# Altium PCB BK1096.PcbDoc (part 2 of 2)
Units mm, origin at the board's own origin, x right, y up, seen from the top; angles counter-clockwise.
Board outline 65 x 36 mm, 4 copper layers (Top Layer, Midlayer 1, Midlayer 2, Bottom Layer), stack 1.571 mm thick; 104 components, 71 nets, 393 pads, 279 vias.
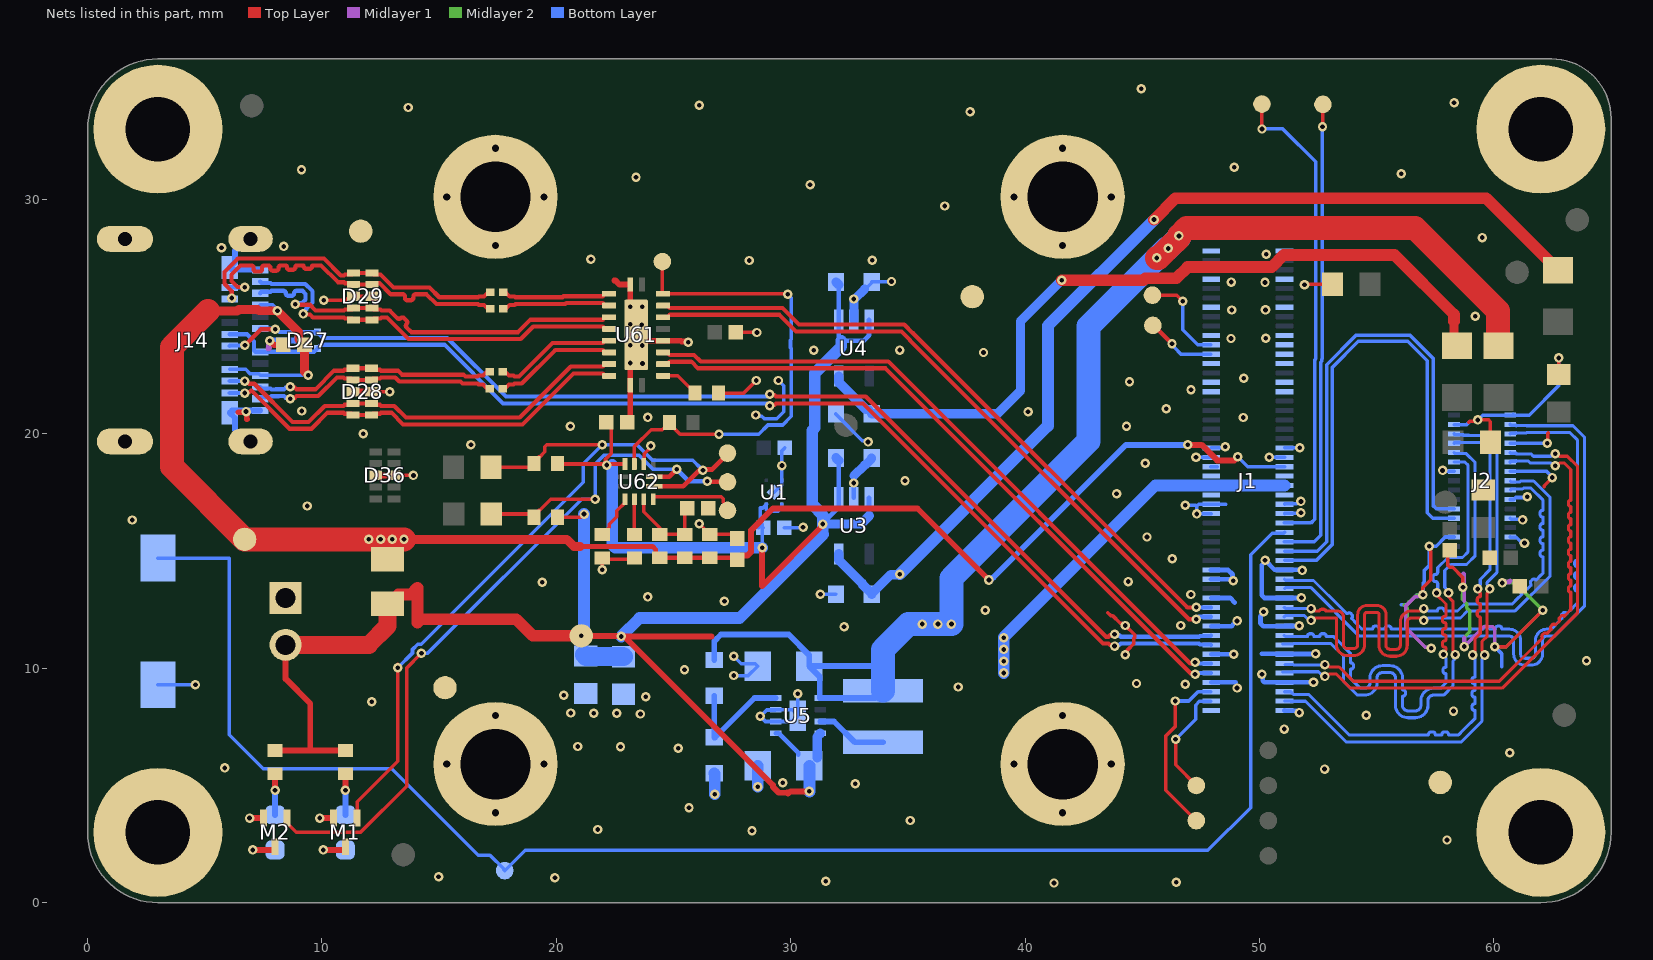
[diagram p4: the nets of this part, all layers, seen from the top]

## Via types
v1: diameter 0.406, hole 0.203, Top Layer to Bottom Layer, tented both sides, 130 vias
v2: diameter 0.4/0.4/0.4/0.4 (per signal layer), hole 0.2, Top Layer to Bottom Layer, tented both sides, 106 vias
v3: diameter 0.4, hole 0.2, Top Layer to Bottom Layer, tented both sides, 27 vias
v4: diameter 0.61, hole 0.305, Top Layer to Bottom Layer, tented both sides, 16 vias

## Nets (pads, with @x,y where several pads share a name; then routed paths per layer and width w, separated by ;. In a path a pad name is that pad's centre, name@x,y a point inside that pad or via, vN(x,y) a via of type N, cw(c..) or ccw(c..) an arc to the next point about the centre after c; other vN are vias at no path point) (continued)
GND: B1.2 C1.1 C2.2 C3.2 C4.2 C5.1 C6.2 C7.2 C8.2 C9.2 C10.1 C11.1 C12.1 C13.1 C14.1 C15.1 C16.2 C17.2 C73.1 C74.1 C76.1 C207.1 D27.3 D28.3 D28.8 D29.3 D29.8 D36.3 D36.8 J1.1 J1.2 J1.7 J1.8 J1.13 J1.14 J1.19 J1.20 J1.25 J1.26 J1.30 J1.31 J1.32 J1.43 J1.44 J1.45 J1.46 J1.55 J1.56 J1.57 J1.58 J1.69 J1.70 J1.71 J1.72 J1.75 J1.76 J1.81 J1.82 J1.87 J1.88 J1.93 J1.94 J1.99 J1.100 J2.1 J2.4 J2.7 J2.10 J2.12 J2.14 J2.17 J2.24 J2.29 J3.P1 J14.A1 J14.A12 J14.B1 J14.B12 J14.SH1 J14.SH2 J14.SH3 J14.SH4 M1.2 M2.2 MTG1.1 MTG2.1 MTG3.1 MTG4.1 MTG7.1 MTG8.1 MTG9.1 MTG10.1 R1.2 R6.2 R31.2 R32.2 R183.1 R185.2 TP1.1 TP4.1 TP10.1 TP11.1 U1.2 U1.5 U3.2 U4.2 U5.0 U5.2 U5.3 U61.5 U61.11 U61.20 U61.21 U62.10 | length 132.1
  Top Layer w0.15: v1(10.075,25.7) 11.012,25.7 11.266,25.954 D29.8@11.352,25.868 D29.3@12.132,25.868 ; D28.3@12.106,21.801 12.885,21.801 v1(12.889,21.797) ; D36.8@13.073,18.229 v1(13.904,18.229) ; v1(21.955,14.208) 21.955,14.661 R32.2@23.33,14.661 ; U62.10@23.73,18.716 23.755,18.741 23.755,19.15 24.025,19.42 v1(24.025,19.486) ; v3@26.073,16.185 v3(26.093,16.165) R183.1@26.543,15.715 27.534,15.715 C73.1@27.711,15.538 ; R185.2@26.913,21.743 28.001,21.743 v2(28.534,22.277) ; C74.1@27.713,24.327 v3(28.556,24.327) ; 43.525,12.375 43.65,12.25 43.725,12.25 44.06,11.915 44.112,11.915 44.202,11.825 v2(44.27,11.825) 44.668,11.426 44.668,11.302 44.638,11.271 44.638,11.054 44.365,10.781 44.365,10.738 44.27,10.643 v2(44.27,10.575) ; v1(51.918,26.365) 51.94,26.388 R1.2@53.107,26.388 ; v1(56.971,13.136) 56.971,13.205 56.97,13.206 56.97,13.442 57.3,13.772 57.3,14.994 57.285,15.009 57.285,15.161 v1(57.236,15.21) ; C14.1@58.122,15.04 58.03,14.947 58.03,14.392 58.117,14.305 58.245,14.305 58.675,13.875 v1(58.675,13.461) ; 58.931,20.491 58.989,20.549 59.26,20.549 v1(59.309,20.598) 59.775,20.598 59.849,20.524 C15.1@59.849,19.643 ; v1(60.03,10.923) 60.527,10.923 v1(62.079,12.475) ; 62.143,17.752 62.143,17.795 v1(62.484,18.136) ; v1(62.272,19.6) 62.302,19.63 62.302,20.028 62.326,20.052 ; C13.1@62.763,22.542 v1(62.763,23.242)
  Top Layer w0.25: 6.434,20.925 6.738,20.925 v1(6.764,20.951) 6.794,20.921 6.794,20.631 6.8,20.625 ; v1(7.777,23.976) 7.953,23.8 C207.1@8.355,23.8 ; D28.8@11.326,21.801 D28.3@12.106,21.801 ; D36.3@12.293,18.229 D36.8@13.073,18.229 ; 22.469,26.552 22.511,26.552 22.687,26.376 U61.11@23.155,26.376 v2(23.155,25.426) v2(23.155,24.678) 23.155,24.476 U61.21@23.405,24.226 ; C76.1@23.083,20.481 23.155,20.553 U61.20@23.155,22.076 v2(23.155,23.026) v2(23.155,23.785) 23.155,23.976 U61.21@23.405,24.226 ; v3(25.62,23.915) 25.592,23.944 25.349,23.944 25.317,23.976 U61.5@24.555,23.976 23.655,23.976 U61.21@23.405,24.226
  Top Layer w0.254: v1(6.91,3.61) M2.2@7.5,3.61 ; v1(9.91,3.61) M1.2@10.5,3.61
  Midlayer 1 w0.15: v1(56.971,13.136) 56.922,13.087 56.784,13.087 56.755,13.058 56.634,13.058 56.234,12.657 56.234,11.738 57.072,10.899 57.276,10.899 v1(57.325,10.85) ; v1(58.675,13.461) 58.724,13.412 58.724,13.261 58.74,13.245 58.74,12.859 ; v1(58.73,10.929) 59.569,11.768 59.942,11.768 60.03,11.68 v1(60.03,10.923)
  Midlayer 1 w0.2: v1(58.675,13.461) 58.7,13.485 58.7,14.025 ; v1(58.73,10.929) 58.73,11.299 ; v1(60.35,13.64) 60.39,13.679 60.654,13.679 60.7,13.725
  Midlayer 1 w0.25: 7.714,23.65 7.747,23.683 7.747,23.946 v1(7.777,23.976)
  Midlayer 2 w0.15: 56.165,12.708 56.302,12.57 56.302,11.669 57.072,10.899 57.276,10.899 v1(57.325,10.85) ; 56.369,12.841 56.417,12.841 56.689,13.113 56.949,13.113 v1(56.971,13.136) ; v1(58.675,13.461) 58.678,13.458 58.678,13.124 58.639,13.085 58.639,12.96 58.842,12.757 58.842,12.573 58.965,12.45 58.965,11.563 58.73,11.329 v1(58.73,10.929) ; v1(60.03,10.923) 60.527,10.923 v1(62.079,12.475) 60.914,13.64 v1(60.35,13.64)
  Bottom Layer w0.15: B1.2@3,9.3 v1(4.6,9.3) ; v2(27.57,9.691) 28.191,9.691 C17.2@28.591,10.091 28.487,10.195 27.882,10.195 v2(27.57,10.507) ; v2(28.509,20.804) 28.552,20.76 28.767,20.76 28.878,20.649 29.395,20.649 29.697,20.951 29.697,22.054 v2(29.474,22.277) ; U1.5@29.294,17.511 29.624,17.841 U1.2@29.624,18.021 v1(29.624,18.651) 29.624,19.281 C1.1@29.744,19.401 ; C2.2@29.72,15.989 30.495,15.989 v1(30.527,16.021) ; v1(30.302,8.915) U5.0@30.302,7.984 ; v1(31.267,13.157) C7.2@31.929,13.156 C7.2@31.929,13.156 ; C9.2@31.929,20.862 31.929,20.832 33.053,19.709 33.25,19.709 v1(33.299,19.66) ; U4.2@32.69,24.863 U4.2@32.691,24.862 ; v2(32.69,25.756) v2@32.728,25.756 ; C8.2@33.148,26.176 33.178,26.176 33.453,26.451 C8.2@33.453,26.481 34.276,26.481 v2(34.297,26.502) ; v2(46.825,16.95) 47.282,16.95 47.32,16.912 ; v1@47.29,19 J1.56@47.935,19 ; J1.44@47.935,16.6 47.928,16.593 47.327,16.593 v2(47.32,16.586) 47.32,16.912 ; J1.58@47.935,19.4 48.58,19.4 48.539,19.441 v1(48.539,19.456) ; J1.46@48.081,16.988 48.553,16.988 48.561,16.996 47.939,16.996 J1.46@47.935,17 47.408,17 47.32,16.912 ; v1(50.419,18.999) J1.55@51.065,19 ; J1.43@51.065,16.6 51.076,16.611 51.739,16.611 v1(51.765,16.637) ; J1.45@51.065,17 51.084,17.019 51.595,17.019 51.696,17.12 v1(51.765,17.12) ; J1.57@51.065,19.4 51.068,19.403 51.712,19.403 v1(51.714,19.406) ; 56.046,12.708 56.284,12.708 56.689,13.113 56.949,13.113 v1(56.971,13.136) 56.992,13.157 56.992,13.654 57.027,13.688 57.027,14.174 57.236,14.383 v1(57.236,15.21) ; J2.29@58.3,20.4 58.84,20.4 58.96,20.52 ; v1(59.309,20.598) 59.323,20.598 59.525,20.8 J2.1@60.7,20.8 J2.1@60.798,20.8 ; v1(60.03,10.923) 60.325,10.628 60.325,10.075 ; J2.7@60.7,18.4 62.245,18.4 62.484,18.161 v1(62.484,18.136) ; J2.4@60.7,19.6 v1(62.272,19.6) ; J2.1@60.833,20.835 J2.1@60.798,20.8 ; v1@61.183,16.365 v1(61.219,16.329) ; v1(62.763,23.242) 62.763,22.063 61.5,20.8 J2.1@60.798,20.8 ; U5.0@30.302,7.984 U5.0@30.306,7.98 30.056,7.73 U5.2@29.356,7.73 28.922,7.73 v1(28.702,7.95) 28.972,8.221 29.347,8.221 U5.3@29.356,8.23 30.056,8.23 U5.0@30.302,7.984
  Bottom Layer w0.152: v1(57.236,15.21) 57.532,15.21 57.922,15.6 J2.17@58.3,15.6 ; v1@57.841,18.41 58.29,18.41 J2.24@58.3,18.4 ; J2.14@60.7,15.6 60.71,15.59 60.955,15.59 v1@61.166,15.379 ; J2.12@60.7,16.4 60.735,16.365 v1@61.183,16.365 ; J2.10@60.7,17.2 60.84,17.2 60.925,17.285 v1@61.387,17.285
  Bottom Layer w0.2: U3.2@32.691,17.282 v2(32.691,17.907) 32.691,18.214 ; J1.8@47.935,9.4 48.985,9.4 48.99,9.405 ; J1.14@47.935,10.6 48.937,10.6 v2@48.974,10.637 ; J1.20@47.935,11.8 48.806,11.8 48.88,11.874 ; J1.26@47.935,13 48.747,13 48.943,12.804 ; 50.089,10.617 50.704,10.617 50.711,10.61 51.055,10.61 J1.13@51.065,10.6 51.074,10.609 v1@52.389,10.609 ; v1(50.101,9.745) 50.136,9.71 50.136,9.469 50.206,9.4 J1.7@51.065,9.4 v1(52.302,9.4) ; v1(50.174,12.409) 50.174,12.353 50.038,12.217 50.038,11.917 50.155,11.8 J1.19@51.065,11.8 51.071,11.805 51.683,11.805 v1(51.689,11.811) ; J1.1@51.065,8.2 51.075,8.19 51.557,8.19 51.638,8.109 v1(51.694,8.109) ; v1@51.689,13.005 51.687,13.002 51.067,13.002 J1.25@51.065,13 50.206,13 50.089,13.117 50.089,14.407 50.237,14.555 v1(50.237,14.611) 50.637,14.21 51.055,14.21 J1.31@51.065,14.2 51.797,14.2 v1(51.821,14.176) ; v1(57.81,18.44) v1@57.841,18.41 ; v1@61.166,15.379 61.248,15.379 61.286,15.341 v1(61.304,15.341) ; v1@61.387,17.285 61.417,17.315 v1(61.417,17.323)
  Bottom Layer w0.21: J1.30@47.924,13.8 J1.30@47.935,13.8 v3@48.759,13.8 ; J1.32@47.924,14.2 J1.32@47.935,14.2 48.651,14.2 48.845,14.005 48.845,13.709 v3@48.854,13.701
  Bottom Layer w0.25: J14.SH1@6.954,19.681 6.784,19.681 6.289,20.176 6.289,20.676 J14.B12@6.064,20.9 6.164,21.001 J14.A1@7.364,21 ; J14.SH4@6.954,28.32 6.784,28.321 6.289,27.826 6.289,27.326 J14.B1@6.064,27.1 6.164,27.001 J14.A12@7.364,27.001 ; v1(7.777,23.976) 7.789,23.989 8.951,23.989 D27.3@8.964,24.001
  Bottom Layer w0.381: U4.2@32.69,24.863 v2(32.69,25.756) ; 32.691,18.214 33.148,18.671 33.178,18.671 33.453,18.946 C6.2@33.453,18.976 ; v2@32.728,25.756 C8.2@33.148,26.176
  Bottom Layer w0.5: R6.2@26.739,5.525 26.761,5.503 v2(26.761,4.622) ; v2(28.591,4.944) C16.2@28.591,5.841
  other v1: 51.056,7.409 52.389,10.617 51.789,13.005 47.289,18.999 16.358,19.535 11.764,20.002 23.9,20.7 50.264,24.081 59.207,25.019 50.254,25.288 5.714,27.945 8.37,27.999
  other v2: 41.233,0.839 46.446,0.873 31.495,0.908 19.939,1.067 14.975,1.1 58,2.675 28.346,3.073 21.768,3.124 35.103,3.505 25.66,4.049 32.75,5.075 29.662,5.119 52.775,5.7 5.85,5.75 60.675,6.4 25.2,6.594 22.737,6.646 20.91,6.665 54.55,8 23.586,8.049 21.591,8.078 20.607,8.094 22.579,8.079 58.275,8.175 12.125,8.575 23.807,8.781 20.317,8.852 49.042,9.158 37.15,9.2 46.829,9.325 44.75,9.35 25.464,9.933 63.95,10.325 48.9,10.6 32.275,11.775 46.635,11.825 49.042,12.021 38.303,12.471 27.17,12.858 23.898,13.045 47.072,13.15 19.4,13.675 44.4,13.7 46.275,14.675 45.2,15.6 1.9,16.325 9.375,16.925 43.9,17.45 34.875,18 45.125,18.75 20.6,20.325 44.325,20.325 49.3,20.7 40.125,20.95 9.143,20.977 46.025,21.075 47.077,21.885 44.45,22.225 49.325,22.375 23.678,23.003 38.225,23.475 30.985,23.569 34.651,23.576 23.658,23.77 48.781,24.071 23.643,24.663 48.81,25.283 23.66,25.427 50.235,26.462 48.791,26.477 28.225,27.4 33.471,27.414 21.475,27.45 50.29,27.67 59.5,28.375 36.575,29.725 30.825,30.625 23.4,30.95 56.05,31.1 9.125,31.275 48.925,31.375 37.65,33.75 13.675,33.925 26.1,34.025 58.3,34.125 44.95,34.725
  other v3: 48.882,13.728
  other v4: 17.4,3.838 41.6,3.838 15.325,5.913 19.475,5.913 39.525,5.913 43.675,5.913 17.4,7.988 41.6,7.988 17.4,28.038 41.6,28.038 15.325,30.113 19.475,30.113 39.525,30.113 43.675,30.113 17.4,32.188 41.6,32.188
I2C1_SCL: J1.35 J2.20 | length 22.2
  Bottom Layer w0.15: J1.35@51.065,15 52.465,15 52.86,15.395 52.86,22.953 54.113,24.206 56.421,24.206 57.402,23.225 57.402,16.944 57.546,16.8
  Bottom Layer w0.152: 57.546,16.8 J2.20@58.3,16.8
I2C1_SDA: J1.33 J2.19 | length 22.5
  Bottom Layer w0.15: J1.33@51.065,14.6 52.421,14.6 53.111,15.291 53.111,22.848 54.217,23.954 56.316,23.954 57.15,23.121 57.15,16.637 57.387,16.4
  Bottom Layer w0.152: 57.387,16.4 J2.19@58.3,16.4
I2C2_SCL: J1.77
I2C2_SDA: J1.79
I2C3_SCL: J1.78 TP31.1 | length 3
  Top Layer w0.2: TP31.1@45.446,24.631 45.476,24.631 v3(46.265,23.843)
  Bottom Layer w0.15: v3(46.265,23.843) 46.356,23.751 46.356,23.691 46.646,23.4 J1.78@47.924,23.4
I2C3_SDA: J1.80 TP32.1 | length 4.2
  Top Layer w0.15: TP32.1@45.382,25.869 TP32.1@45.429,25.915 46.472,25.915 v3(46.722,25.665)
  Bottom Layer w0.15: v3(46.722,25.665) 46.722,24.443 47.365,23.8 J1.80@47.924,23.8
MIPI_RX4_C_N: J1.3 J2.28 | length 23.7
  Top Layer w0.131: v1(59.598,10.567) 59.598,10.642 59.492,10.748 59.492,11.147 59.711,11.366 59.711,13.205 59.817,13.311 v1(59.817,13.386)
  Bottom Layer w0.131: J1.3@51.065,8.6 51.312,8.6 51.317,8.594 51.962,8.594 53.698,6.858 58.608,6.858 59.492,7.742 59.492,10.387 59.598,10.493 v1(59.598,10.567) ; 58.914,19.948 58.925,19.937 59.555,19.937 60.123,19.369 60.123,14.08 59.711,13.667 59.711,13.566 59.817,13.46 v1(59.817,13.386)
  Bottom Layer w0.152: J2.28@58.3,20 58.334,19.966 58.543,19.966 58.547,19.962 58.685,19.962 58.699,19.948 58.914,19.948
MIPI_RX4_C_P: J1.5 J2.27 | length 23.7
  Top Layer w0.131: v1(59.09,10.567) 59.09,10.642 59.196,10.748 59.196,11.27 59.415,11.488 59.415,11.63 59.415,11.913 59.415,12.168 ccw(c59.387,12.168) 59.387,12.196 cw(c59.387,12.295) 59.288,12.295 59.288,12.38 cw(c59.387,12.38) 59.387,12.479 ccw(c59.387,12.507) 59.415,12.507 59.415,12.735 ccw(c59.387,12.735) 59.387,12.763 cw(c59.387,12.862) 59.288,12.862 59.288,12.947 cw(c59.387,12.947) 59.387,13.046 ccw(c59.387,13.074) 59.415,13.074 59.415,13.205 59.309,13.311 v1(59.309,13.386)
  Bottom Layer w0.131: J1.5@51.065,9 51.33,9 51.44,8.89 52.085,8.89 53.821,7.154 56.67,7.154 56.928,7.154 57.183,7.154 ccw(c57.183,7.182) 57.211,7.182 cw(c57.31,7.182) 57.31,7.281 57.395,7.281 cw(c57.395,7.182) 57.494,7.182 ccw(c57.522,7.182) 57.522,7.154 57.75,7.154 ccw(c57.75,7.182) 57.778,7.182 cw(c57.877,7.182) 57.877,7.281 57.962,7.281 cw(c57.962,7.182) 58.061,7.182 ccw(c58.089,7.182) 58.089,7.154 58.344,7.154 58.486,7.154 58.496,7.164 58.696,7.364 58.896,7.565 59.096,7.765 59.196,7.865 59.196,7.922 59.196,8.177 ccw(c59.169,8.177) 59.169,8.205 cw(c59.169,8.304) 59.069,8.304 59.069,8.389 cw(c59.169,8.389) 59.169,8.488 ccw(c59.169,8.516) 59.196,8.516 59.196,8.744 ccw(c59.169,8.744) 59.169,8.771 cw(c59.169,8.871) 59.069,8.871 59.069,8.956 cw(c59.169,8.956) 59.169,9.055 ccw(c59.169,9.083) 59.196,9.083 59.196,9.31 ccw(c59.169,9.31) 59.169,9.338 cw(c59.169,9.437) 59.069,9.437 59.069,9.522 cw(c59.169,9.522) 59.169,9.621 ccw(c59.169,9.649) 59.196,9.649 59.196,9.904 59.196,10.046 59.196,10.387 59.09,10.493 v1(59.09,10.567) ; 58.554,19.645 58.561,19.652 58.572,19.641 59.433,19.641 59.828,19.246 59.828,14.203 59.415,13.79 59.415,13.566 59.309,13.46 v1(59.309,13.386)
  Bottom Layer w0.152: J2.27@58.3,19.6 58.334,19.634 58.543,19.634 58.554,19.645
MIPI_RX4_D0_N: J1.9 J2.5 | length 23.7
  Top Layer w0.131: v1@52.828,9.706 52.919,9.706 52.972,9.759 53.272,9.759 53.882,9.15 60.35,9.15 63.573,12.373 63.573,18.606 63.133,19.046 62.792,19.046 62.686,19.152 v1(62.611,19.152)
  Bottom Layer w0.131: J1.9@50.976,9.845 51.444,9.845 51.451,9.852 52.518,9.852 52.717,9.653 v1(52.791,9.653) ; 60.954,19.155 60.961,19.148 61.579,19.148 61.681,19.046 62.43,19.046 62.536,19.152 v1(62.611,19.152)
  Bottom Layer w0.152: J2.5@60.7,19.2 60.734,19.166 60.943,19.166 60.954,19.155
MIPI_RX4_D0_P: J1.11 J2.6 | length 23.9
  Top Layer w0.131: v1@52.861,10.108 52.919,10.108 52.972,10.055 53.395,10.055 54.004,9.446 60.227,9.446 61.752,10.971 61.89,11.108 62.075,11.293 62.068,11.3 cw(c62.132,11.365) 62.068,11.43 62.123,11.485 cw(c62.188,11.42) 62.253,11.485 62.26,11.478 62.445,11.663 62.438,11.67 cw(c62.502,11.735) 62.438,11.8 62.493,11.855 cw(c62.558,11.79) 62.623,11.855 62.63,11.848 62.815,12.033 62.808,12.04 cw(c62.872,12.105) 62.808,12.17 62.863,12.225 cw(c62.928,12.16) 62.993,12.225 63,12.218 63.185,12.403 63.277,12.496 63.277,12.722 63.277,12.984 63.277,13.246 63.267,13.246 cw(c63.267,13.337) 63.176,13.337 63.176,13.416 cw(c63.267,13.416) 63.267,13.507 63.277,13.507 63.277,13.769 63.267,13.769 cw(c63.267,13.86) 63.176,13.86 63.176,13.939 cw(c63.267,13.939) 63.267,14.03 63.277,14.03 63.277,14.292 63.267,14.292 cw(c63.267,14.384) 63.176,14.384 63.176,14.462 cw(c63.267,14.462) 63.267,14.554 63.277,14.554 63.277,14.815 63.267,14.815 cw(c63.267,14.907) 63.176,14.907 63.176,14.985 cw(c63.267,14.985) 63.267,15.077 63.277,15.077 63.277,15.339 63.267,15.339 cw(c63.267,15.43) 63.176,15.43 63.176,15.509 cw(c63.267,15.509) 63.267,15.6 63.277,15.6 63.277,15.862 63.267,15.862 cw(c63.267,15.953) 63.176,15.953 63.176,16.032 cw(c63.267,16.032) 63.267,16.123 63.277,16.123 63.277,16.385 63.267,16.385 cw(c63.267,16.477) 63.176,16.477 63.176,16.555 cw(c63.267,16.555) 63.267,16.647 63.277,16.647 63.277,16.908 63.267,16.908 cw(c63.267,17) 63.176,17 63.176,17.078 cw(c63.267,17.078) 63.267,17.17 63.277,17.17 63.277,17.432 63.277,17.562 63.277,18.483 63.01,18.75 62.792,18.75 62.686,18.644 v1(62.611,18.644)
  Bottom Layer w0.131: J1.11@51.091,10.164 51.099,10.155 51.444,10.155 51.451,10.148 52.64,10.148 52.672,10.116 52.717,10.161 v1(52.791,10.161) ; 60.954,18.845 60.961,18.852 61.456,18.852 61.559,18.75 62.43,18.75 62.536,18.644 v1(62.611,18.644)
  Bottom Layer w0.152: J2.6@60.7,18.8 60.734,18.834 60.943,18.834 60.954,18.845
MIPI_RX4_D1_N: J1.15 J2.26 | length 23.6
  Top Layer w0.131: v1(58.061,13.216) 58.061,13.141 58.017,13.096 58.248,12.865 58.248,10.768 58.354,10.662 v1(58.354,10.587)
  Bottom Layer w0.131: J1.15@50.976,11.045 51.444,11.045 51.451,11.052 53.048,11.052 53.579,10.521 53.579,9.453 54.177,8.854 54.481,8.854 ccw(c54.481,9.383) 55.009,9.383 55.009,9.585 cw(c55.242,9.585) 55.242,9.817 55.568,9.817 cw(c55.568,9.585) 55.8,9.585 55.8,8.419 ccw(c56.329,8.419) 56.329,7.891 56.655,7.891 ccw(c56.655,8.419) 57.183,8.419 57.183,8.622 cw(c57.416,8.622) 57.416,8.854 57.854,8.854 58.254,9.254 58.254,10.311 58.301,10.358 v1@58.301,10.546 ; v1(58.061,13.216) 58.061,13.29 58.017,13.335 57.9,13.452 57.9,14.175 58.159,14.434 58.834,14.434 58.85,14.45 59.196,14.796 59.196,18.779 58.82,19.155 58.345,19.155 J2.26@58.3,19.2
MIPI_RX4_D1_P: J1.17 J2.25 | length 23.8
  Top Layer w0.131: v1(57.553,13.216) 57.553,13.141 57.952,12.743 57.952,12.72 57.952,12.474 57.952,12.273 cw(c57.891,12.273) 57.891,12.212 ccw(c57.891,12.121) 57.799,12.121 57.799,12.042 ccw(c57.891,12.042) 57.891,11.951 cw(c57.891,11.89) 57.952,11.89 57.952,11.75 cw(c57.891,11.75) 57.891,11.689 ccw(c57.891,11.598) 57.799,11.598 57.799,11.519 ccw(c57.891,11.519) 57.891,11.428 cw(c57.891,11.367) 57.952,11.367 57.952,11.227 cw(c57.891,11.227) 57.891,11.166 ccw(c57.891,11.074) 57.799,11.074 57.799,10.996 ccw(c57.891,10.996) 57.891,10.904 cw(c57.891,10.843) 57.952,10.843 57.952,10.773 57.846,10.667 v1(57.846,10.593)
  Bottom Layer w0.131: J1.17@51.054,11.4 51.099,11.355 51.444,11.355 51.451,11.348 51.922,11.348 52.017,11.348 ccw(c52.017,11.383) 52.053,11.383 cw(c52.144,11.383) 52.144,11.475 52.223,11.475 cw(c52.223,11.383) 52.314,11.383 ccw(c52.35,11.383) 52.35,11.348 52.541,11.348 ccw(c52.541,11.383) 52.576,11.383 cw(c52.668,11.383) 52.668,11.475 52.746,11.475 cw(c52.746,11.383) 52.838,11.383 ccw(c52.873,11.383) 52.873,11.348 53.099,11.348 53.171,11.348 53.344,11.175 53.875,10.644 53.875,10.544 53.875,10.491 53.875,10.265 ccw(c53.91,10.265) 53.91,10.229 cw(c53.91,10.138) 54.002,10.138 54.002,10.059 cw(c53.91,10.059) 53.91,9.968 ccw(c53.91,9.932) 53.875,9.932 53.875,9.706 53.875,9.575 54.3,9.15 54.481,9.15 ccw(c54.481,9.383) 54.713,9.383 54.713,9.585 cw(c55.242,9.585) 55.242,10.113 55.568,10.113 cw(c55.568,9.585) 56.096,9.585 56.096,9.446 56.096,9.335 56.096,9.109 ccw(c56.132,9.109) 56.132,9.073 cw(c56.132,8.982) 56.223,8.982 56.223,8.903 cw(c56.132,8.903) 56.132,8.812 ccw(c56.132,8.776) 56.096,8.776 56.096,8.55 56.096,8.419 ccw(c56.329,8.419) 56.329,8.187 56.655,8.187 ccw(c56.655,8.419) 56.887,8.419 56.887,8.622 cw(c57.416,8.622) 57.416,9.15 57.731,9.15 57.958,9.377 57.958,9.446 57.958,9.518 57.958,9.744 ccw(c57.923,9.744) 57.923,9.78 cw(c57.923,9.871) 57.831,9.871 57.831,9.95 cw(c57.923,9.95) 57.923,10.041 ccw(c57.923,10.077) 57.958,10.077 57.958,10.303 v1@57.958,10.434 ; v1(57.553,13.216) 57.635,13.298 57.604,13.329 57.604,13.543 57.604,13.602 ccw(c57.509,13.602) 57.509,13.698 cw(c57.509,13.806) 57.401,13.806 57.401,13.898 cw(c57.509,13.898) 57.509,14.006 ccw(c57.509,14.101) 57.604,14.101 57.604,14.195 57.604,14.298 58.037,14.73 58.655,14.73 58.9,14.975 58.9,18.657 58.757,18.8 J2.25@58.3,18.8
MIPI_RX5_D0_N: J1.21 J2.8 | length 23.7
  Top Layer w0.131: v1(52.197,12.04) 52.272,12.04 52.378,12.146 53.278,12.146 53.278,11.01 ccw(c53.745,11.01) 53.745,10.544 54.017,10.544 ccw(c54.017,11.01) 54.484,11.01 54.484,12.294 cw(c54.577,12.294) 54.577,12.387 55.003,12.387 cw(c55.003,12.294) 55.097,12.294 55.097,10.981 ccw(c55.563,10.981) 55.563,10.514 55.836,10.514 ccw(c55.836,10.981) 56.302,10.981 56.302,11.975 cw(c56.472,11.975) 56.472,12.146 56.822,12.146 56.928,12.04 v1(57.003,12.04)
  Bottom Layer w0.131: J1.21@51.054,12.2 51.099,12.245 51.444,12.245 51.451,12.252 51.772,12.252 51.91,12.252 52.122,12.04 v1(52.197,12.04) ; v1(57.003,12.04) 57.077,12.04 57.183,12.146 58.571,12.146 58.875,12.45 60.906,12.45 62.396,13.94 62.396,17.286 61.693,17.989 61.141,17.989 61.1,17.948 60.961,17.948 60.954,17.955 60.736,17.955 J2.8@60.7,17.991
MIPI_RX5_D0_P: J1.23 J2.9 | length 23.8
  Top Layer w0.131: v1(52.197,12.548) 52.272,12.548 52.378,12.442 52.565,12.442 cw(c52.641,12.442) 52.641,12.518 52.75,12.518 cw(c52.75,12.442) 52.826,12.442 53.088,12.442 53.219,12.442 53.338,12.442 cw(c53.338,12.205) 53.574,12.205 53.574,11.01 ccw(c53.745,11.01) 53.745,10.839 54.017,10.839 ccw(c54.017,11.01) 54.188,11.01 54.188,12.294 cw(c54.577,12.294) 54.577,12.683 55.003,12.683 cw(c55.003,12.294) 55.393,12.294 55.393,10.981 ccw(c55.563,10.981) 55.563,10.81 55.836,10.81 ccw(c55.836,10.981) 56.006,10.981 56.006,11.975 cw(c56.472,11.975) 56.472,12.442 56.822,12.442 56.928,12.548 v1(57.003,12.548)
  Bottom Layer w0.131: J1.23@51.054,12.6 51.099,12.555 51.444,12.555 51.451,12.548 51.894,12.548 v1(52.197,12.548) ; v1(57.003,12.548) 57.077,12.548 57.183,12.442 57.455,12.442 57.569,12.442 ccw(c57.569,12.469) 57.597,12.469 cw(c57.696,12.469) 57.696,12.569 57.781,12.569 cw(c57.781,12.469) 57.88,12.469 ccw(c57.908,12.469) 57.908,12.442 58.164,12.442 58.248,12.442 58.448,12.442 58.752,12.746 60.428,12.746 60.641,12.746 60.783,12.746 60.798,12.761 60.999,12.961 61.179,13.142 ccw(c61.159,13.162) 61.179,13.181 cw(c61.249,13.251) 61.179,13.322 61.239,13.382 cw(c61.309,13.312) 61.379,13.382 ccw(c61.399,13.401) 61.419,13.382 61.58,13.542 ccw(c61.56,13.562) 61.58,13.582 cw(c61.65,13.652) 61.58,13.722 61.64,13.782 cw(c61.71,13.712) 61.78,13.782 ccw(c61.8,13.802) 61.819,13.782 62,13.963 62.1,14.063 62.1,14.19 62.1,14.473 62.1,14.728 ccw(c62.072,14.728) 62.072,14.756 cw(c62.072,14.855) 61.973,14.855 61.973,14.94 cw(c62.072,14.94) 62.072,15.039 ccw(c62.072,15.067) 62.1,15.067 62.1,15.295 ccw(c62.072,15.295) 62.072,15.323 cw(c62.072,15.422) 61.973,15.422 61.973,15.507 cw(c62.072,15.507) 62.072,15.606 ccw(c62.072,15.634) 62.1,15.634 62.1,15.861 ccw(c62.072,15.861) 62.072,15.889 cw(c62.072,15.988) 61.973,15.988 61.973,16.073 cw(c62.072,16.073) 62.072,16.172 ccw(c62.072,16.2) 62.1,16.2 62.1,16.428 ccw(c62.072,16.428) 62.072,16.456 cw(c62.072,16.555) 61.973,16.555 61.973,16.64 cw(c62.072,16.64) 62.072,16.739 ccw(c62.072,16.767) 62.1,16.767 62.1,17.022 62.1,17.164 61.571,17.693 61.264,17.693 61.223,17.652 60.961,17.652 60.954,17.645 60.745,17.645 J2.9@60.7,17.6